# Altium PCB PCB.PcbDoc (part 5 of 10)
Units mil, origin at the board's own origin, x right, y up, seen from the top; angles counter-clockwise.
Board outline 3945.89 x 2165.35 mil, 8 copper layers (Component Side, PWR, Signal 1, Signal 2, GND1, Signal 3, GND2, Solder Side), stack 68.504 mil thick; 329 components, 323 nets, 1378 pads, 692 vias.
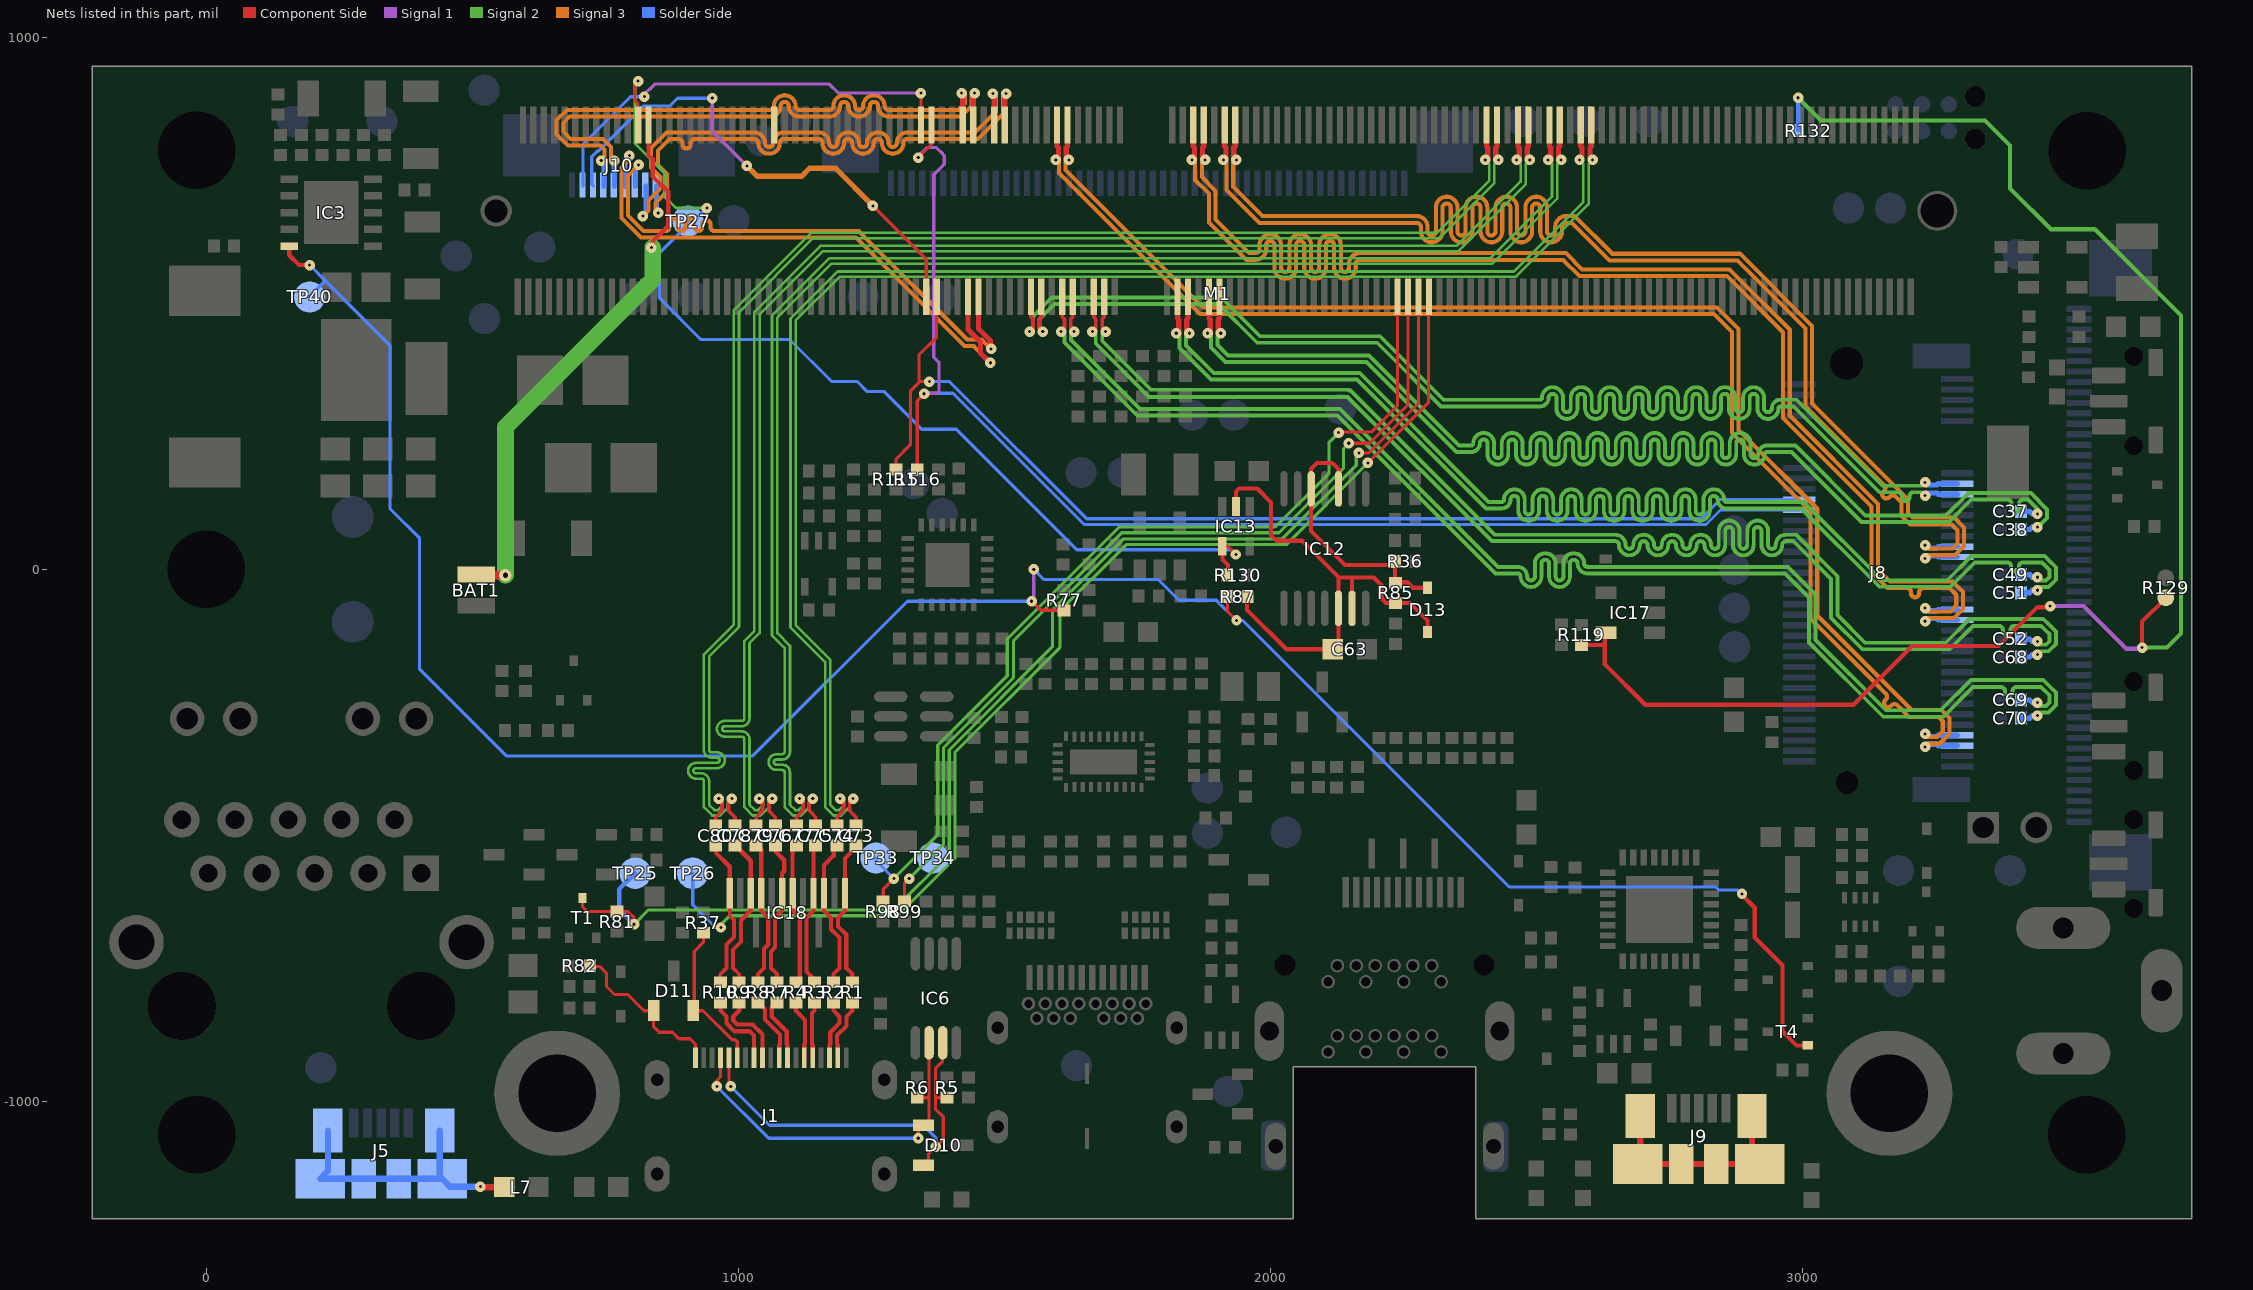
[diagram p11: the nets of this part, all layers, seen from the top]

## Via types
v1: diameter 19.68, hole 5.91, Component Side to Solder Side, 599 vias
v2: diameter 23.62, hole 9.84, Component Side to Solder Side, 90 vias
v3: diameter 19.68, hole 7.87, Component Side to Solder Side, 3 vias

## Nets (pads, with @x,y where several pads share a name; then routed paths per layer and width w, separated by ;. In a path a pad name is that pad's centre, name@x,y a point inside that pad or via, vN(x,y) a via of type N, cw(c..) or ccw(c..) an arc to the next point about the centre after c; other vN are vias at no path point) (continued)
PCIE0_CLK_N: J8.53 M1.160 | length 2566.7
  Component Side w7.09: M1.160@1569.64,512.29 1569.64,474.25 1565.8,470.42 1565.8,453.33 v1(1572.1,447.03)
  Signal 2 w7.28: v1(1572.1,447.03) 1565.9,453.23 1565.9,470.42 1594.15,498.67 1902.64,498.67 1975.33,425.99 2200.8,425.99 2320.35,306.44 2506.63,306.44 ccw(c2506.63,322.78) 2522.97,322.78 cw(c2530.25,322.78) 2537.54,322.78 2537.54,302.52 ccw(c2557.24,302.52) 2576.95,302.52 2576.95,322.78 cw(c2584.23,322.78) 2591.52,322.78 2591.52,302.52 ccw(c2611.22,302.52) 2630.93,302.52 2630.93,322.78 cw(c2638.21,322.78) 2645.49,322.78 2645.49,302.52 ccw(c2665.2,302.52) 2684.91,302.52 2684.91,322.78 cw(c2692.19,322.78) 2699.47,322.78 2699.47,302.52 ccw(c2719.18,302.52) 2738.89,302.52 2738.89,322.78 cw(c2746.17,322.78) 2753.45,322.78 2753.45,302.52 ccw(c2773.16,302.52) 2792.87,302.52 2792.87,322.78 cw(c2800.15,322.78) 2807.43,322.78 2807.43,302.52 ccw(c2827.14,302.52) 2846.85,302.52 2846.85,322.78 cw(c2854.13,322.78) 2861.41,322.78 2861.41,302.52 ccw(c2881.12,302.52) 2900.83,302.52 2900.83,322.78 cw(c2908.11,322.78) 2915.39,322.78 2915.39,302.52 ccw(c2935.1,302.52) 2954.81,302.52 cw(c2958.72,302.52) 2958.72,306.44 2983.63,306.44 3145.1,144.96 3164.86,144.96 3172.15,144.96 3179.43,144.96 cw(c3179.43,137.68) 3186.71,137.68 3186.71,135.88 ccw(c3194,135.88) 3194,128.6 ccw(c3194,135.88) 3201.28,135.88 3201.28,137.68 cw(c3208.56,137.68) 3208.56,144.96 3213.17,144.96 3224.1,144.96 v1(3230.3,138.76)
  Solder Side w9.84: v1(3230.3,138.76) 3235.22,143.68 3252.76,143.68 3255.22,141.22 J8.53@3291.26,141.22
PCIE0_CLK_P: J8.55 M1.162 | length 2566.7
  Component Side w7.09: v1(1547.49,447.03) 1553.79,453.33 1553.79,470.42 1549.95,474.25 M1.162@1549.95,512.29
  Signal 2 w7.28: v1(1547.49,447.03) 1553.69,453.23 1553.69,475.47 1589.1,510.88 1907.7,510.88 1980.39,438.19 2205.86,438.19 2325.19,318.86 2506.63,318.86 ccw(c2506.63,322.78) 2510.55,322.78 cw(c2530.25,322.78) 2549.96,322.78 2549.96,302.52 ccw(c2557.24,302.52) 2564.53,302.52 2564.53,322.78 cw(c2584.23,322.78) 2603.94,322.78 2603.94,302.52 ccw(c2611.22,302.52) 2618.5,302.52 2618.51,322.78 cw(c2638.21,322.78) 2657.92,322.78 2657.92,302.52 ccw(c2665.2,302.52) 2672.48,302.52 2672.48,322.78 cw(c2692.19,322.78) 2711.9,322.78 2711.9,302.52 ccw(c2719.18,302.52) 2726.46,302.52 2726.46,322.78 cw(c2746.17,322.78) 2765.88,322.78 2765.88,302.52 ccw(c2773.16,302.52) 2780.44,302.52 2780.44,322.78 cw(c2800.15,322.78) 2819.86,322.78 2819.86,302.52 ccw(c2827.14,302.52) 2834.42,302.52 2834.42,322.78 cw(c2854.13,322.78) 2873.84,322.78 2873.84,302.52 ccw(c2881.12,302.52) 2888.4,302.52 2888.4,322.78 cw(c2908.11,322.78) 2927.82,322.78 2927.82,302.52 ccw(c2935.1,302.52) 2942.38,302.52 cw(c2958.72,302.52) 2958.72,318.86 2988.46,318.86 3150.16,157.17 3224.1,157.17 v1(3230.3,163.37)
  Solder Side w9.84: v1(3230.3,163.37) 3235.22,158.45 3252.76,158.45 3255.22,160.91 J8.55@3291.26,160.91
PCIE0_RX0_N: J8.41 M1.131 | length 2578.7
  Component Side w9.84: M1.131@1933.81,835.12 1933.81,795.25 1931.35,792.79 1931.35,774.58 v1(1936.27,769.66)
  Signal 3 w7.68: v1(1936.27,769.66) 1930.27,763.66 1930.27,718.51 1984.88,663.9 2275.15,663.9 cw(c2275.15,643.53) 2295.52,643.53 2295.52,635.16 ccw(c2303.2,635.16) 2310.87,635.16 2310.87,679.95 cw(c2331.24,679.95) 2351.62,679.95 2351.62,635.16 ccw(c2359.29,635.16) 2366.97,635.16 2366.97,679.95 cw(c2387.34,679.95) 2407.71,679.95 2407.71,635.16 ccw(c2415.39,635.16) 2423.06,635.16 2423.06,679.95 cw(c2443.44,679.95) 2463.81,679.95 2463.81,635.16 ccw(c2471.48,635.16) 2479.16,635.16 2479.16,679.95 cw(c2499.53,679.95) 2519.9,679.95 2519.9,635.16 ccw(c2527.58,635.16) 2535.26,635.16 2535.26,643.53 cw(c2555.63,643.53) 2555.63,663.9 2566.63,663.9 2566.72,663.81 2571.93,663.81 2642.48,593.26 2882.71,593.26 3018.26,457.71 3018.26,311.41 3198.54,131.14 3198.54,105.83 3207.02,97.35 3240.97,97.35 3285.21,97.35 3303.86,78.7 3303.86,43.55 3286.97,26.65 3236.3,26.65 v1(3230.3,20.65)
  Solder Side w9.84: v1(3230.3,20.65) 3235.22,25.57 3252.76,25.57 3255.22,23.11 J8.41@3291.26,23.11
PCIE0_RX0_P: J8.43 M1.133 | length 2578.7
  Component Side w9.84: v1(1911.66,769.66) 1916.58,774.58 1916.58,792.79 1914.12,795.25 M1.133@1914.12,835.12
  Signal 3 w7.68: v1(1911.66,769.66) 1917.67,763.66 1917.67,713.3 1979.75,651.21 2275.15,651.21 cw(c2275.15,643.53) 2282.83,643.53 2282.83,635.16 ccw(c2303.2,635.16) 2323.57,635.16 2323.57,679.95 cw(c2331.24,679.95) 2338.92,679.95 2338.92,635.16 ccw(c2359.29,635.16) 2379.66,635.16 2379.66,679.95 cw(c2387.34,679.95) 2395.02,679.95 2395.02,635.16 ccw(c2415.39,635.16) 2435.76,635.16 2435.76,679.95 cw(c2443.44,679.95) 2451.11,679.95 2451.11,635.16 ccw(c2471.48,635.16) 2491.85,635.16 2491.85,679.95 cw(c2499.53,679.95) 2507.21,679.95 2507.21,635.16 ccw(c2527.58,635.16) 2547.95,635.16 2547.95,643.53 cw(c2555.63,643.53) 2555.63,651.21 2566.71,651.21 2637.26,580.66 2877.49,580.66 3005.66,452.5 3005.66,306.19 3153.37,158.49 cw(c3147.94,153.06) 3153.37,147.63 3152.18,146.45 ccw(c3157.61,141.02) 3152.18,135.59 ccw(c3157.61,141.02) 3163.04,135.59 3164.22,136.78 cw(c3169.65,131.35) 3175.08,136.78 3185.94,125.92 3185.94,100.61 3201.8,84.75 3240.97,84.75 3279.99,84.75 3291.26,73.48 3291.26,48.77 3281.75,39.25 3236.3,39.25 v1(3230.3,45.26)
  Solder Side w9.84: v1(3230.3,45.26) 3235.22,40.34 3252.76,40.34 3255.22,42.8 J8.43@3291.26,42.8
PCIE0_RX1_N: J8.29 M1.137 | length 2572.8
  Component Side w9.84: M1.137@1874.75,835.12 1874.75,795.25 1872.29,792.79 1872.29,774.58 v1(1877.21,769.66)
  Signal 3 w7.68: v1(1877.21,769.66) 1871.21,763.66 1871.21,737.32 1897.05,711.48 1897.05,657.43 1960.03,594.46 1971.81,594.46 ccw(c1971.81,602.14) 1979.49,602.14 1979.49,609.52 cw(c1999.86,609.52) 2020.23,609.52 2020.23,566.7 ccw(c2027.91,566.7) 2035.58,566.7 2035.58,609.52 cw(c2055.95,609.52) 2076.32,609.52 2076.32,566.7 ccw(c2084,566.7) 2091.68,566.7 2091.68,609.52 cw(c2112.05,609.52) 2132.42,609.52 2132.42,566.7 ccw(c2140.1,566.7) 2147.77,566.7 2147.77,574.09 cw(c2168.14,574.09) 2168.14,594.46 2555.47,594.46 2586.02,563.91 2863.01,563.91 2976.05,450.87 2976.05,289.37 3142.17,123.24 3142.17,0.21 3164.86,-22.47 3281.64,-22.47 3301.62,-42.45 3301.62,-74.33 3284.49,-91.46 3260.44,-91.46 3236.3,-91.46 v1(3230.3,-97.46)
  Solder Side w9.84: v1(3230.3,-97.46) 3235.22,-92.54 3252.76,-92.54 3255.22,-95 J8.29@3291.26,-95
PCIE0_RX1_P: J8.31 M1.139 | length 2572.8
  Component Side w9.84: v1(1852.61,769.66) 1857.53,774.58 1857.53,792.79 1855.07,795.25 M1.139@1855.07,835.12
  Signal 3 w7.68: v1(1852.61,769.66) 1858.61,763.66 1858.61,731.85 1884.45,706.01 1884.45,652.21 1954.9,581.77 1971.81,581.77 ccw(c1971.81,602.14) 1992.18,602.14 1992.18,609.52 cw(c1999.86,609.52) 2007.54,609.52 2007.54,566.7 ccw(c2027.91,566.7) 2048.28,566.7 2048.28,609.52 cw(c2055.95,609.52) 2063.63,609.52 2063.63,566.7 ccw(c2084,566.7) 2104.37,566.7 2104.37,609.52 cw(c2112.05,609.52) 2119.73,609.52 2119.73,566.7 ccw(c2140.1,566.7) 2160.47,566.7 2160.47,574.09 cw(c2168.14,574.09) 2168.14,581.77 2550.35,581.77 2580.8,551.31 2857.79,551.31 2963.45,445.65 2963.45,284.15 3129.57,118.03 3129.57,-5 3159.64,-35.07 3180.94,-35.07 3188.61,-35.07 3196.29,-35.07 cw(c3196.29,-42.75) 3203.97,-42.75 3203.97,-44.85 ccw(c3211.64,-44.85) 3211.64,-52.53 ccw(c3211.64,-44.85) 3219.32,-44.85 3219.32,-42.75 cw(c3227,-42.75) 3227,-35.07 3276.42,-35.07 3289.02,-47.67 3289.02,-67.65 3277.81,-78.86 3260.44,-78.86 3236.3,-78.86 v1(3230.3,-72.85)
  Solder Side w9.84: v1(3230.3,-72.85) 3235.22,-77.77 3252.76,-77.77 3255.22,-75.31 J8.31@3291.26,-75.31
PCIE0_RX3_N: J8.5 M1.155 | length 2556.6
  Component Side w9.84: M1.155@1618.85,835.12 1618.85,795.25 1616.39,792.79 1616.39,774.58 v1(1621.31,769.66)
  Signal 3 w7.68: v1(1621.31,769.66) 1615.3,763.66 1615.3,750.23 1873.35,492.19 2776.39,492.19 ; 2776.4,492.2 2802.25,492.2 2839.28,492.19 2879.79,451.68 2879.79,261.94 3027.78,113.95 3027.78,-87.01 3205.37,-264.59 3261.2,-264.59 3276.21,-279.6 3276.21,-309.45 3257.98,-327.68 3236.3,-327.68 v1(3230.3,-333.68)
  Solder Side w9.84: v1(3230.3,-333.68) 3235.22,-328.76 3252.76,-328.76 3255.22,-331.22 J8.5@3291.26,-331.22
PCIE0_RX3_P: J8.7 M1.157 | length 2556.6
  Component Side w9.84: v1(1596.7,769.66) 1601.62,774.58 1601.62,792.79 1599.16,795.25 M1.157@1599.16,835.12
  Signal 3 w7.68: v1(1596.7,769.66) 1602.71,763.66 1602.71,745.01 1868.13,479.59 2781.61,479.59 2797.03,479.6 ; 2797.05,479.59 2834.07,479.59 2867.19,446.46 2867.19,256.72 3015.18,108.73 3015.18,-92.22 3135.09,-212.13 3156.72,-233.76 cw(c3151.29,-239.19) 3156.72,-244.62 3155.53,-245.81 ccw(c3160.96,-251.24) 3155.53,-256.67 ccw(c3160.96,-251.24) 3166.38,-256.67 3167.58,-255.48 cw(c3173,-260.91) 3178.43,-255.48 3183.86,-260.91 3194.72,-271.76 3200.15,-277.19 3209.78,-277.19 3217.46,-277.19 3255.98,-277.19 3263.61,-284.82 3263.61,-304.23 3252.76,-315.08 3236.3,-315.08 v1(3230.3,-309.07)
  Solder Side w9.84: v1(3230.3,-309.07) 3235.22,-313.99 3252.76,-313.99 3255.22,-311.53 J8.7@3291.26,-311.54
PCIE0_TX0_N: C38.2 M1.134 | length 2598.8
  Component Side w9.84: M1.134@1904.28,512.29 1904.28,472.25 1901.82,469.79 1901.82,448.72 v1(1906.74,443.8)
  Signal 2 w7.28: v1(1906.74,443.8) 1900.54,437.6 1900.54,421.93 1920.57,401.9 2185.62,401.9 2354.8,232.72 2377.21,232.72 ccw(c2377.21,236.86) 2381.35,236.86 cw(c2400.84,236.86) 2400.84,256.35 cw(c2400.84,236.86) 2420.32,236.86 2420.32,216.38 ccw(c2427.61,216.38) 2427.61,209.1 ccw(c2427.61,216.38) 2434.89,216.38 2434.89,236.86 cw(c2454.38,236.86) 2454.38,256.35 cw(c2454.38,236.86) 2473.87,236.86 2473.87,216.38 ccw(c2481.15,216.38) 2481.15,209.1 ccw(c2481.15,216.38) 2488.44,216.38 2488.44,236.86 cw(c2507.92,236.86) 2507.92,256.35 cw(c2507.92,236.86) 2527.41,236.86 2527.41,216.38 ccw(c2534.7,216.38) 2534.7,209.1 ccw(c2534.7,216.38) 2541.98,216.38 2541.98,236.86 cw(c2561.47,236.86) 2561.47,256.35 cw(c2561.47,236.86) 2580.96,236.86 2580.96,216.38 ccw(c2588.24,216.38) 2588.24,209.1 ccw(c2588.24,216.38) 2595.52,216.38 2595.52,236.86 cw(c2615.01,236.86) 2615.01,256.35 cw(c2615.01,236.86) 2634.5,236.86 2634.5,216.38 ccw(c2641.78,216.38) 2641.78,209.1 ccw(c2641.78,216.38) 2649.07,216.38 2649.07,236.86 cw(c2668.56,236.86) 2668.56,256.35 cw(c2668.56,236.86) 2688.05,236.86 2688.05,216.38 ccw(c2695.33,216.38) 2695.33,209.1 ccw(c2695.33,216.38) 2702.61,216.38 2702.61,236.86 cw(c2722.1,236.86) 2722.1,256.35 cw(c2722.1,236.86) 2741.59,236.86 2741.59,216.38 ccw(c2748.87,216.38) 2748.87,209.1 ccw(c2748.87,216.38) 2756.16,216.38 2756.16,236.86 cw(c2775.64,236.86) 2775.64,256.35 cw(c2775.65,236.86) 2795.13,236.86 2795.13,216.38 ccw(c2802.42,216.38) 2802.42,209.1 ccw(c2802.42,216.38) 2809.7,216.38 2809.7,236.86 cw(c2829.19,236.86) 2829.19,256.35 cw(c2829.19,236.86) 2848.68,236.86 2848.68,216.38 ccw(c2855.96,216.38) 2855.96,209.1 ccw(c2855.96,216.38) 2863.24,216.38 2863.24,236.86 cw(c2882.73,236.86) 2882.73,256.35 cw(c2882.73,236.86) 2902.22,236.86 2902.22,216.38 ccw(c2909.51,216.38) 2909.51,209.1 ccw(c2909.51,216.38) 2916.79,216.38 cw(c2933.13,216.38) 2933.13,232.72 2986.69,232.72 3118.07,101.35 3269.96,101.35 3310.59,141.97 3310.81,141.97 3312.15,143.3 3429.19,143.3 3459.83,112.66 3459.83,96.6 3442.85,79.62 v1(3441.42,79.62)
  Solder Side w9.84: C38.2@3410.51,74.86 3427.22,74.86 3431.97,79.62 v1(3441.42,79.62)
PCIE0_TX0_P: C37.2 M1.136 | length 2598.8
  Component Side w9.84: v1(1882.14,443.8) 1887.06,448.72 1887.06,469.79 1884.6,472.25 M1.136@1884.6,512.29
  Signal 2 w7.28: v1(1882.14,443.8) 1888.34,437.6 1888.34,416.88 1915.52,389.7 2180.57,389.7 2349.75,220.52 2377.21,220.52 ccw(c2377.21,236.86) 2393.55,236.86 cw(c2400.84,236.86) 2400.84,244.14 cw(c2400.84,236.86) 2408.12,236.86 2408.12,216.38 ccw(c2427.61,216.38) 2427.61,196.9 ccw(c2427.61,216.38) 2447.1,216.38 2447.1,236.86 cw(c2454.38,236.86) 2454.38,244.14 cw(c2454.38,236.86) 2461.66,236.86 2461.66,216.38 ccw(c2481.15,216.38) 2481.15,196.9 ccw(c2481.15,216.38) 2500.64,216.38 2500.64,236.86 cw(c2507.92,236.86) 2507.92,244.14 cw(c2507.92,236.86) 2515.21,236.86 2515.21,216.38 ccw(c2534.7,216.38) 2534.7,196.9 ccw(c2534.7,216.38) 2554.18,216.38 2554.18,236.86 cw(c2561.47,236.86) 2561.47,244.14 cw(c2561.47,236.86) 2568.75,236.86 2568.75,216.38 ccw(c2588.24,216.38) 2588.24,196.9 ccw(c2588.24,216.38) 2607.73,216.38 2607.73,236.86 cw(c2615.01,236.86) 2615.01,244.14 cw(c2615.01,236.86) 2622.3,236.86 2622.3,216.38 ccw(c2641.78,216.38) 2641.78,196.9 ccw(c2641.78,216.38) 2661.27,216.38 2661.27,236.86 cw(c2668.56,236.86) 2668.56,244.14 cw(c2668.56,236.86) 2675.84,236.86 2675.84,216.38 ccw(c2695.33,216.38) 2695.33,196.9 ccw(c2695.33,216.38) 2714.82,216.38 2714.82,236.86 cw(c2722.1,236.86) 2722.1,244.14 cw(c2722.1,236.86) 2729.38,236.86 2729.38,216.38 ccw(c2748.87,216.38) 2748.87,196.9 ccw(c2748.87,216.38) 2768.36,216.38 2768.36,236.86 cw(c2775.64,236.86) 2775.64,244.14 cw(c2775.65,236.86) 2782.93,236.86 2782.93,216.38 ccw(c2802.42,216.38) 2802.42,196.9 ccw(c2802.42,216.38) 2821.91,216.38 2821.91,236.86 cw(c2829.19,236.86) 2829.19,244.14 cw(c2829.19,236.86) 2836.47,236.86 2836.47,216.38 ccw(c2855.96,216.38) 2855.96,196.9 ccw(c2855.96,216.38) 2875.45,216.38 2875.45,236.86 cw(c2882.73,236.86) 2882.73,244.14 cw(c2882.73,236.86) 2890.02,236.86 2890.02,216.38 ccw(c2909.51,216.38) 2909.51,196.9 ccw(c2909.51,216.38) 2928.99,216.38 cw(c2933.13,216.38) 2933.13,220.52 2979.49,220.52 3110.86,89.14 3275.24,89.14 3317.2,131.1 3370.81,131.1 3378.09,131.1 3385.37,131.1 cw(c3385.37,123.82) 3392.66,123.82 3392.66,114.32 ccw(c3399.94,114.32) 3399.94,107.03 ccw(c3399.94,114.32) 3407.22,114.32 3407.22,123.82 cw(c3414.51,123.82) 3414.51,131.1 3424.13,131.1 3441.42,113.81 v1(3441.42,104.22)
  Solder Side w9.84: C37.2@3410.51,108.98 3427.22,108.98 3431.97,104.22 v1(3441.42,104.22)
PCIE0_TX1_N: C51.2 M1.140 | length 2569.1
  Component Side w9.84: M1.140@1845.23,512.29 1845.23,472.25 1842.77,469.79 1842.77,448.72 v1(1847.69,443.8)
  Signal 2 w7.28: v1(1847.69,443.8) 1841.49,437.6 1841.49,421.01 1893.48,369.01 2167.89,369.01 2409.99,126.9 2434.93,126.9 ccw(c2434.93,131.04) 2439.07,131.04 cw(c2458.56,131.04) 2458.56,150.53 cw(c2458.56,131.04) 2478.04,131.04 2478.04,110.56 ccw(c2485.33,110.56) 2485.33,103.28 ccw(c2485.33,110.56) 2492.61,110.56 2492.61,131.04 cw(c2512.1,131.04) 2512.1,150.53 cw(c2512.1,131.04) 2531.59,131.04 2531.59,110.56 ccw(c2538.87,110.56) 2538.87,103.28 ccw(c2538.87,110.56) 2546.15,110.56 2546.15,131.04 cw(c2565.64,131.04) 2565.64,150.53 cw(c2565.64,131.04) 2585.13,131.04 2585.13,110.56 ccw(c2592.42,110.56) 2592.42,103.28 ccw(c2592.42,110.56) 2599.7,110.56 2599.7,131.04 cw(c2619.19,131.04) 2619.19,150.53 cw(c2619.19,131.04) 2638.68,131.04 2638.68,110.56 ccw(c2645.96,110.56) 2645.96,103.28 ccw(c2645.96,110.56) 2653.24,110.56 2653.24,131.04 cw(c2672.73,131.04) 2672.73,150.53 cw(c2672.73,131.04) 2692.22,131.04 2692.22,110.56 ccw(c2699.5,110.56) 2699.5,103.28 ccw(c2699.5,110.56) 2706.79,110.56 2706.79,131.04 cw(c2726.27,131.04) 2726.27,150.53 cw(c2726.27,131.04) 2745.76,131.04 2745.76,110.56 ccw(c2753.05,110.56) 2753.05,103.28 ccw(c2753.05,110.56) 2760.33,110.56 2760.33,131.04 cw(c2779.82,131.04) 2779.82,150.53 cw(c2779.82,131.04) 2799.31,131.04 2799.31,110.56 ccw(c2806.59,110.56) 2806.59,103.28 ccw(c2806.59,110.56) 2813.87,110.56 2813.87,131.04 cw(c2833.36,131.04) 2833.36,150.53 cw(c2833.36,131.04) 2852.85,131.04 ccw(c2856.98,131.04) 2856.98,126.9 3002.18,126.9 3149.56,-20.48 3271.99,-20.48 3317.56,25.09 3455.27,25.09 3464.41,15.95 3476.25,4.11 3476.25,-19.39 3462.58,-33.06 3447.62,-33.06 v1(3441.42,-39.26)
  Solder Side w9.84: C51.2@3410.51,-44.02 3427.22,-44.02 3431.97,-39.26 v1(3441.42,-39.26)
PCIE0_TX1_P: C49.2 M1.142 | length 2569.1
  Component Side w9.84: v1(1823.08,443.8) 1828,448.72 1828,469.79 1825.54,472.25 M1.142@1825.54,512.29
  Signal 2 w7.28: v1(1823.08,443.8) 1829.28,437.6 1829.28,415.95 1888.43,356.8 2162.83,356.8 2404.94,114.7 2434.93,114.7 ccw(c2434.93,131.04) 2451.27,131.04 cw(c2458.56,131.04) 2458.56,138.32 cw(c2458.56,131.04) 2465.84,131.04 2465.84,110.56 ccw(c2485.33,110.56) 2485.33,91.08 ccw(c2485.33,110.56) 2504.82,110.56 2504.82,131.04 cw(c2512.1,131.04) 2512.1,138.32 cw(c2512.1,131.04) 2519.38,131.04 2519.38,110.56 ccw(c2538.87,110.56) 2538.87,91.08 ccw(c2538.87,110.56) 2558.36,110.56 2558.36,131.04 cw(c2565.64,131.04) 2565.64,138.32 cw(c2565.64,131.04) 2572.93,131.04 2572.93,110.56 ccw(c2592.42,110.56) 2592.42,91.08 ccw(c2592.42,110.56) 2611.9,110.56 2611.9,131.04 cw(c2619.19,131.04) 2619.19,138.32 cw(c2619.19,131.04) 2626.47,131.04 2626.47,110.56 ccw(c2645.96,110.56) 2645.96,91.08 ccw(c2645.96,110.56) 2665.45,110.56 2665.45,131.04 cw(c2672.73,131.04) 2672.73,138.32 cw(c2672.73,131.04) 2680.01,131.04 2680.01,110.56 ccw(c2699.5,110.56) 2699.5,91.08 ccw(c2699.5,110.56) 2718.99,110.56 2718.99,131.04 cw(c2726.27,131.04) 2726.27,138.32 cw(c2726.27,131.04) 2733.56,131.04 2733.56,110.56 ccw(c2753.05,110.56) 2753.05,91.08 ccw(c2753.05,110.56) 2772.54,110.56 2772.54,131.04 cw(c2779.82,131.04) 2779.82,138.32 cw(c2779.82,131.04) 2787.1,131.04 2787.1,110.56 ccw(c2806.59,110.56) 2806.59,91.08 ccw(c2806.59,110.56) 2826.08,110.56 2826.08,131.04 cw(c2833.36,131.04) 2833.36,138.32 cw(c2833.36,131.04) 2840.65,131.04 ccw(c2856.98,131.04) 2856.98,114.7 2997.12,114.7 3144.51,-32.69 3278.14,-32.69 3323.71,12.88 3370.42,12.88 3377.71,12.88 3384.99,12.88 cw(c3384.99,5.6) 3392.27,5.6 3392.27,3.8 ccw(c3399.56,3.8) 3399.56,-3.48 ccw(c3399.56,3.8) 3406.84,3.8 3406.84,5.6 cw(c3414.12,5.6) 3414.12,12.88 3434.49,12.88 3450.22,12.88 3464.04,-0.94 3464.04,-14.34 3457.52,-20.86 3447.62,-20.86 v1(3441.42,-14.66)
  Solder Side w9.84: C49.2@3410.51,-9.9 3427.22,-9.9 3431.97,-14.66 v1(3441.42,-14.66)
PCIE0_TX2_N: C68.2 M1.148 | length 2574.3
  Component Side w7.09: M1.148@1687.75,512.29 1687.75,474.25 1683.91,470.42 1683.91,453.33 v1(1690.21,447.03)
  Signal 2 w7.28: v1(1690.21,447.03) 1684.01,440.83 1684.01,429.4 1775.82,337.59 2146.65,337.59 2147.77,336.47 2150.22,336.47 2421.48,65.22 2648.15,65.22 cw(c2648.15,45.93) 2667.44,45.93 ccw(c2674.72,45.93) 2682.01,45.93 cw(c2701.3,45.93) 2701.3,65.22 ; 2701.69,65.22 cw(c2701.69,45.93) 2720.98,45.93 ccw(c2728.27,45.93) 2735.55,45.93 cw(c2754.84,45.93) 2754.84,65.22 ; 2755.24,65.22 cw(c2755.24,45.93) 2774.53,45.93 ccw(c2781.81,45.93) 2789.09,45.93 cw(c2808.39,45.93) 2808.39,65.22 ; 2808.78,65.22 cw(c2808.78,45.93) 2828.07,45.93 ccw(c2835.35,45.93) 2842.64,45.93 2842.64,72.3 cw(c2862.13,72.3) 2881.62,72.3 2881.61,45.93 ccw(c2888.9,45.93) 2896.18,45.93 2896.18,72.3 cw(c2915.67,72.3) 2935.16,72.3 2935.16,45.93 ccw(c2942.44,45.93) 2949.73,45.93 cw(c2969.02,45.93) 2969.02,65.22 2987.61,65.22 3065.7,-12.87 3065.7,-85.98 3117.48,-137.76 3269.17,-137.76 3314.02,-92.92 3452.56,-92.92 3464.41,-104.77 3476.25,-116.61 3476.25,-140.11 3462.58,-153.78 3447.62,-153.78 v1(3441.42,-159.98)
  Solder Side w9.84: C68.2@3410.51,-164.73 3427.22,-164.73 3431.97,-159.98 v1(3441.42,-159.98)
PCIE0_TX2_P: C52.2 M1.150 | length 2574.3
  Component Side w7.09: v1(1665.6,447.03) 1671.9,453.33 1671.9,470.42 1668.06,474.25 M1.150@1668.06,512.29
  Signal 2 w7.28: v1(1665.6,447.03) 1671.8,440.83 1671.8,424.34 1771.87,324.27 2145.17,324.27 2416.42,53.01 2648.15,53.01 cw(c2648.15,45.93) 2655.23,45.93 ccw(c2674.72,45.93) 2694.21,45.93 cw(c2701.3,45.93) 2701.3,53.01 ; 2701.69,53.01 cw(c2701.69,45.93) 2708.78,45.93 ccw(c2728.27,45.93) 2747.76,45.93 cw(c2754.84,45.93) 2754.84,53.01 ; 2755.24,53.01 cw(c2755.24,45.93) 2762.32,45.93 ccw(c2781.81,45.93) 2801.3,45.93 cw(c2808.39,45.93) 2808.39,53.01 ; 2808.78,53.01 cw(c2808.78,45.93) 2815.87,45.93 ccw(c2835.35,45.93) 2854.84,45.93 2854.84,72.3 cw(c2862.13,72.3) 2869.41,72.3 2869.41,45.93 ccw(c2888.9,45.93) 2908.39,45.93 2908.39,72.3 cw(c2915.67,72.3) 2922.95,72.3 2922.95,45.93 ccw(c2942.44,45.93) 2961.93,45.93 cw(c2969.02,45.93) 2969.02,53.01 2982.56,53.01 3053.49,-17.92 3053.49,-91.04 3112.42,-149.97 3276.77,-149.97 3320.57,-106.17 3354.69,-106.17 3361.98,-106.17 3369.26,-106.17 cw(c3369.26,-113.45) 3376.55,-113.45 3376.55,-115.68 ccw(c3383.83,-115.68) 3383.83,-122.96 ccw(c3383.83,-115.68) 3391.11,-115.68 3391.11,-113.45 cw(c3398.4,-113.45) 3398.4,-106.17 3448.55,-106.17 3455.78,-113.4 3464.04,-121.66 3464.04,-135.06 3457.52,-141.58 3447.62,-141.58 v1(3441.42,-135.38)